# Allegro board 6089-119-RevB_08.brd (continued)
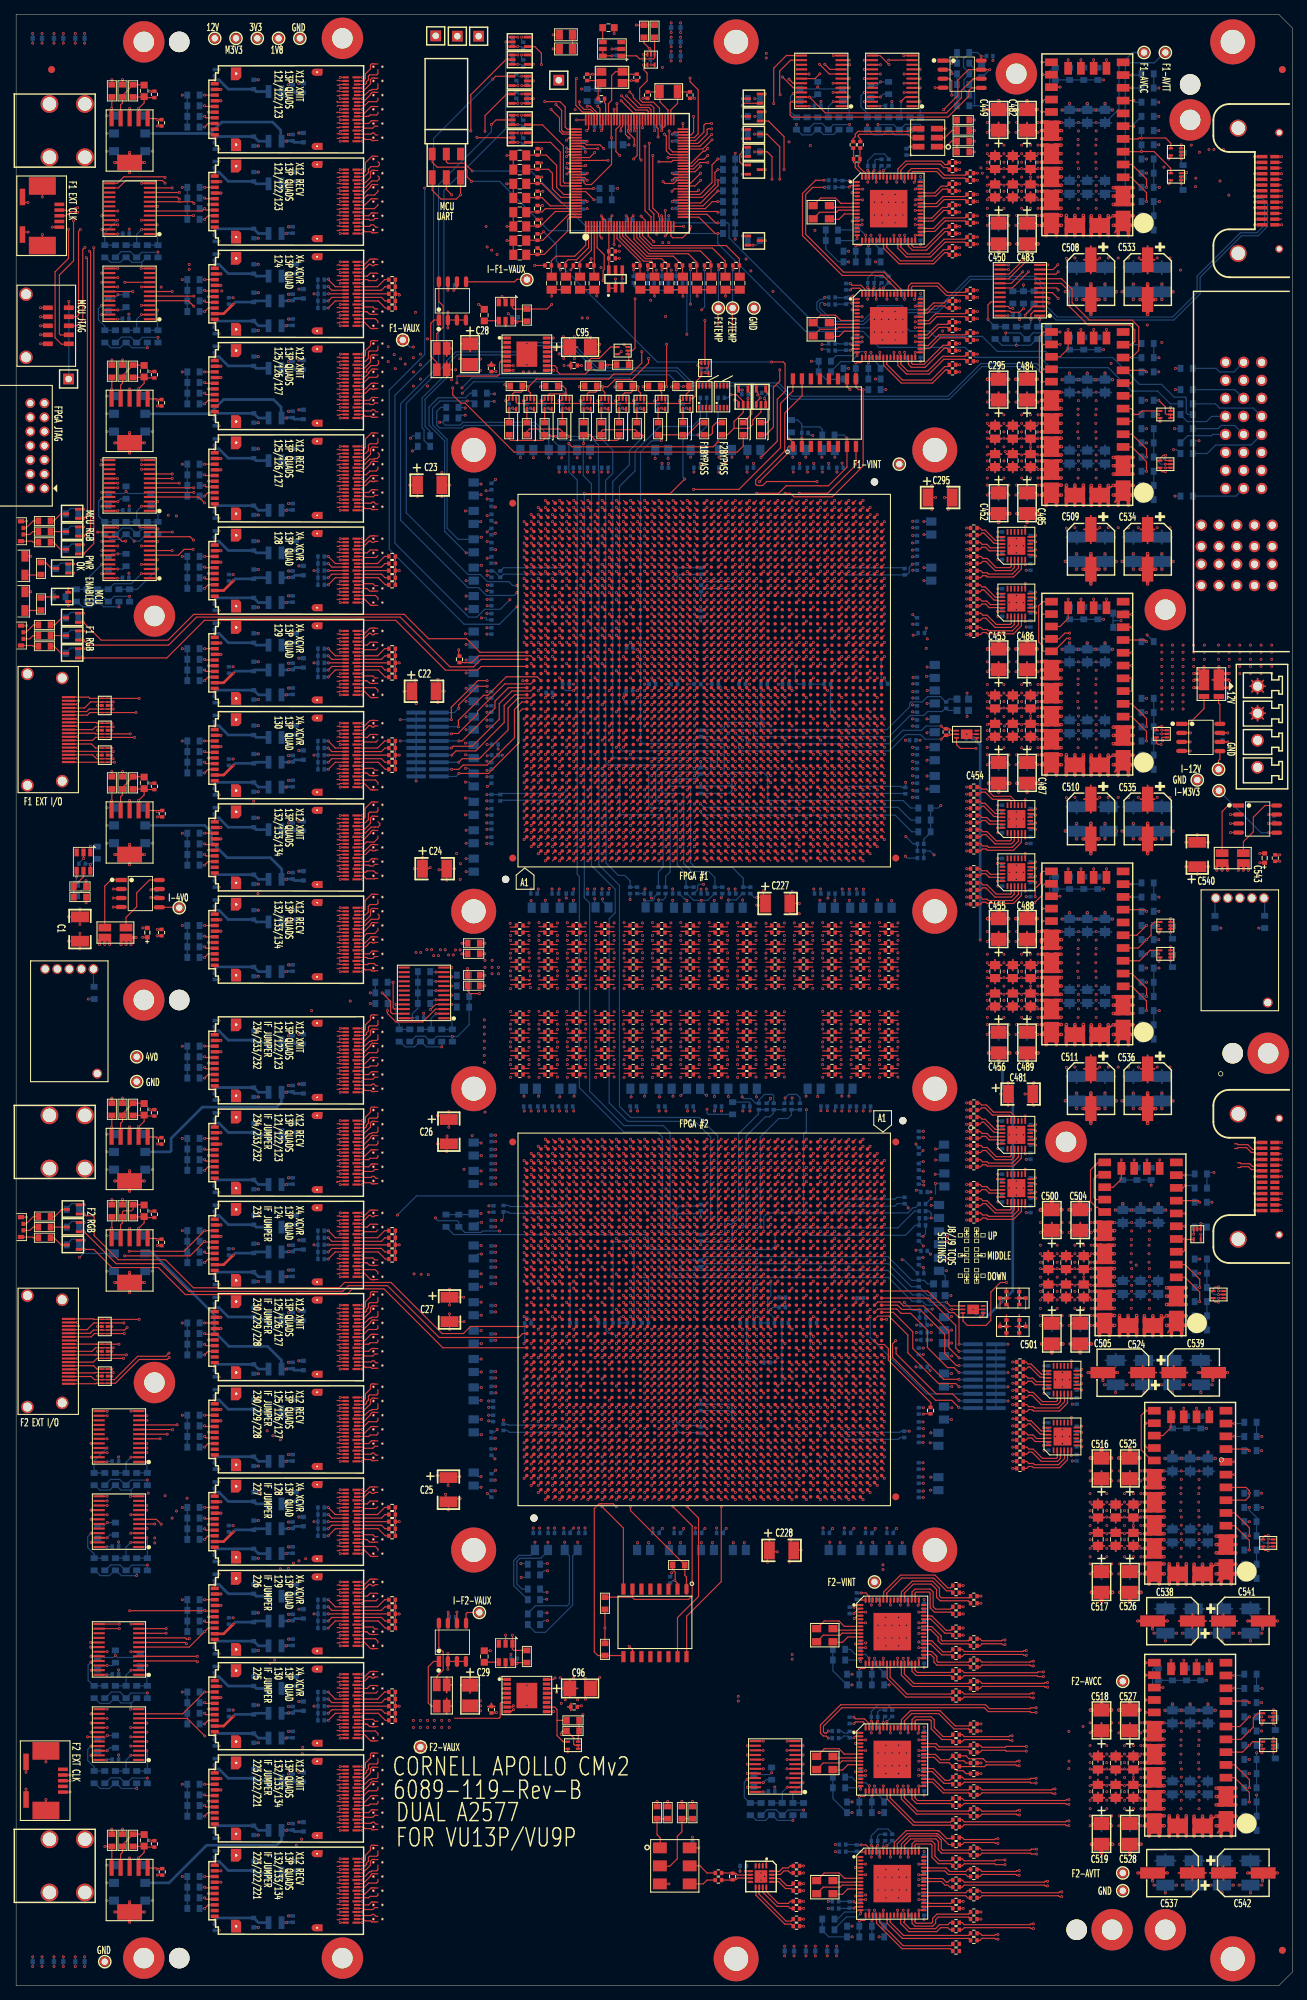
[diagram p0: board, top side]
## Placement (name value [footprint] x y rotation side) (continued)
R297  4.7K  [RESC_EIA0603]  128.05 162.6 180 bottom
R298  DNP  [RESC_EIA0402]  127.8 95.15 0 bottom
R299  1K  [RESC_EIA0402]  127.8 94.15 180 bottom
R300  1K  [RESC_EIA0402]  127.75 110.15 0 bottom
R301  0  [RESC_EIA0402]  127.75 109.15 180 bottom
R302  0  [RESC_EIA0402]  127.75 108.15 180 bottom
R303  DNP  [RESC_EIA0402]  127.75 107.15 180 bottom
R304  10K  [RESC_EIA0603]  127.5 262.4 270 bottom
R305  DNP  [RESC_EIA0402]  127.5 160.9 0 bottom
R306  1K  [RESC_EIA0402]  127.5 159.9 180 bottom
R307  1K  [RESC_EIA0402]  127.5 158.9 180 bottom
R308  1K  [RESC_EIA0402]  127.5 100.4 180 bottom
R309  0  [RESC_EIA0603]  126 262.4 90 bottom
R310  100  [RESC_EIA0402]  125.35 168.4 270 bottom
R311  100  [RESC_EIA0402]  125.25 199.25 90 bottom
R312  100  [RESC_EIA0402]  125.25 110.65 90 bottom
R313  100  [RESC_EIA0402]  125.2 77.7 270 bottom
R314  10K  [RESC_EIA0603]  124.5 262.4 270 bottom
R315  2.2K  [RESC_EIA0603]  123 267.4 90 bottom
R316  0  [RESC_EIA0603]  123 262.4 90 bottom
R317  240  [RESC_EIA0402]  122.4 183.45 180 bottom
R318  10K  [RESC_EIA0603]  121.5 262.4 270 bottom
R319  DNP  [RESC_EIA0603]  121.5 43.9 180 bottom
R320  10K  [RESC_EIA0603]  121.5 42.4 0 bottom
R321  DNP  [RESC_EIA0603]  121.5 25.9 180 bottom
R322  10K  [RESC_EIA0603]  121.5 24.4 0 bottom
R323  DNP  [RESC_EIA0603]  121.5 8.4 180 bottom
R324  10K  [RESC_EIA0603]  121.5 6.9 0 bottom
R325  DNP  [RESC_EIA0603]  121 244.4 180 bottom
R326  10K  [RESC_EIA0603]  121 242.9 0 bottom
R327  DNP  [RESC_EIA0603]  121 227.9 180 bottom
R328  10K  [RESC_EIA0603]  121 226.4 0 bottom
R329  4.7K  [RESC_EIA0603]  121 224.9 180 bottom
R330  100  [RESC_EIA0402]  121 37.9 180 bottom
R331  100  [RESC_EIA0402]  121 20.4 180 bottom
R332  2.2K  [RESC_EIA0603]  120.5 266.9 90 bottom
R333  100  [RESC_EIA0402]  120.5 256.4 180 bottom
R334  100  [RESC_EIA0402]  120.5 239.9 180 bottom
R335  0  [RESC_EIA0603]  120 262.4 90 bottom
R336  240  [RESC_EIA0402]  119 96.9 0 bottom
R337  100  [RESC_EIA0402]  118.5 54.9 270 bottom
R338  100  [RESC_EIA0402]  118.5 19.4 270 bottom
R339  DNP  [RESC_EIA0603]  118 43.9 0 bottom
R340  10K  [RESC_EIA0603]  118 42.4 180 bottom
R341  DNP  [RESC_EIA0603]  118 25.9 0 bottom
R342  10K  [RESC_EIA0603]  118 24.4 180 bottom
R343  DNP  [RESC_EIA0603]  118 8.4 0 bottom
R344  10K  [RESC_EIA0603]  118 6.9 180 bottom
R345  10K  [RESC_EIA0603]  117.5 262.4 270 bottom
R346  DNP  [RESC_EIA0603]  117.5 244.4 0 bottom
R347  10K  [RESC_EIA0603]  117.5 242.9 180 bottom
R348  DNP  [RESC_EIA0603]  117.5 227.9 0 bottom
R349  10K  [RESC_EIA0603]  117.5 226.4 180 bottom
R350  100  [RESC_EIA0402]  117.5 52.9 270 bottom
R351  100  [RESC_EIA0402]  117.5 37.4 270 bottom
R352  100  [RESC_EIA0402]  117.5 35.4 270 bottom
R353  100  [RESC_EIA0402]  117.5 11.4 270 bottom
R354  100  [RESC_EIA0402]  117 239.4 270 bottom
R355  100  [RESC_EIA0402]  117 237.4 270 bottom
R356  100  [RESC_EIA0402]  117 230.9 270 bottom
R357  10K  [RESC_EIA0603]  116.5 266.4 90 bottom
R358  100  [RESC_EIA0402]  116.5 253.9 270 bottom
R359  0  [RESC_EIA0603]  116 262.4 90 bottom
R360  2.2K  [RESC_EIA0603]  116 47.4 180 bottom
R361  2.2K  [RESC_EIA0603]  116 45.9 180 bottom
R362  2.2K  [RESC_EIA0603]  116 29.4 180 bottom
R363  2.2K  [RESC_EIA0603]  116 27.9 180 bottom
R364  2.2K  [RESC_EIA0603]  115 247.4 180 bottom
R365  2.2K  [RESC_EIA0603]  115 245.9 180 bottom
R366  10K  [RESC_EIA0603]  114.5 262.4 270 bottom
R367  2.2K  [RESC_EIA0603]  114.5 218.5 0 bottom
R368  2.2K  [RESC_EIA0603]  114.5 9.4 180 bottom
R369  2.2K  [RESC_EIA0603]  114.5 7.9 180 bottom
R370  240  [RESC_EIA0402]  114.35 183.4 0 bottom
R371  2.2K  [RESC_EIA0603]  114 228.9 180 bottom
R372  2.2K  [RESC_EIA0603]  114 227.4 180 bottom
R373  2.2K  [RESC_EIA0603]  113 267.4 90 bottom
R374  0  [RESC_EIA0603]  113 262.4 90 bottom
R375  1K  [RESC_EIA0402]  112.4 93.4 180 bottom
R376  10K  [RESC_EIA0603]  111.5 262.4 270 bottom
R377  1K  [RESC_EIA0402]  111.5 183.4 180 bottom
R378  10K  [RESC_EIA0603]  111 24.9 270 bottom
R379  2.2K  [RESC_EIA0603]  110.5 266.4 90 bottom
R380  DNP  [RESC_EIA0402]  110.5 123.9 270 bottom
R381  0  [RESC_EIA0603]  110 262.4 90 bottom
R382  0  [RESC_EIA0603]  109.5 24.9 90 bottom
R383  4.7K  [RESC_EIA0603]  109.3 219.75 270 bottom
R384  0  [RESC_EIA0402]  109.3 123.9 270 bottom
R385  240  [RESC_EIA0402]  108.5 183.4 180 bottom
R386  240  [RESC_EIA0402]  108.4 93.4 180 bottom
R387  0  [RESC_EIA0402]  108.3 123.9 270 bottom
R388  1K  [RESC_EIA0402]  108 97 180 bottom
R389  1K  [RESC_EIA0402]  108 95.6 180 bottom
R390  10K  [RESC_EIA0603]  108 24.9 270 bottom
R391  DNP  [RESC_EIA0402]  106.8 123.9 270 bottom
R392  2.2K  [RESC_EIA0603]  106.5 29.9 90 bottom
R393  0  [RESC_EIA0603]  106.5 24.9 90 bottom
R394  1K  [RESC_EIA0402]  106.45 93.4 0 bottom
R395  240  [RESC_EIA0402]  105.85 87.8 0 bottom
R396  DNP  [RESC_EIA0402]  105.8 123.9 270 bottom
R397  1K  [RESC_EIA0402]  105.45 183.4 180 bottom
R398  10K  [RESC_EIA0603]  105 24.9 270 bottom
R399  0  [RESC_EIA0402]  104.7 123.9 270 bottom
R400  240  [RESC_EIA0402]  104.5 93.4 180 bottom
R401  4.7K  [RESC_EIA0603]  104 265.9 180 bottom
R402  4.7K  [RESC_EIA0603]  104 263.4 180 bottom
R403  4.7K  [RESC_EIA0603]  104 260.9 180 bottom
R404  4.7K  [RESC_EIA0603]  104 258.4 0 bottom
R405  4.7K  [RESC_EIA0603]  104 245.9 180 bottom
R406  2.2K  [RESC_EIA0603]  104 28.9 90 bottom
R407  DNP  [RESC_EIA0402]  103.5 154.35 90 bottom
R408  DNP  [RESC_EIA0603]  103.5 24.9 90 bottom
R409  1K  [RESC_EIA0402]  102.55 93.4 0 bottom
R410  0  [RESC_EIA0402]  102.5 154.35 90 bottom
R411  1K  [RESC_EIA0402]  102.35 183.4 0 bottom
R412  4.7K  [RESC_EIA0603]  101 123.65 270 bottom
R413  DNP  [RESC_EIA0603]  100.5 257.4 0 bottom
R414  DNP  [RESC_EIA0603]  100.5 255.9 0 bottom
R415  DNP  [RESC_EIA0603]  100.5 254.4 0 bottom
R416  DNP  [RESC_EIA0603]  100.5 252.9 0 bottom
R417  2.2K  [RESC_EIA0603]  100.5 251.4 0 bottom
R418  2.2K  [RESC_EIA0603]  100.5 249.9 0 bottom
R419  DNP  [RESC_EIA0603]  100.5 248.4 0 bottom
R420  DNP  [RESC_EIA0603]  100.5 246.9 0 bottom
R421  0  [RESC_EIA0402]  99.55 154.35 90 bottom
R422  1K  [RESC_EIA0402]  98.55 183.4 180 bottom
R423  DNP  [RESC_EIA0402]  98.5 154.35 90 bottom
R424  100  [RESC_EIA0402]  96.55 199.35 90 bottom
R425  100  [RESC_EIA0402]  96.55 196.9 90 bottom
R426  100  [RESC_EIA0402]  96.5 171.2 270 bottom
R427  100  [RESC_EIA0402]  96.5 168.45 270 bottom
R428  100  [RESC_EIA0402]  96.5 109.65 90 bottom
R429  100  [RESC_EIA0402]  96.5 105.4 90 bottom
R430  100  [RESC_EIA0402]  96.5 81.5 270 bottom
R431  100  [RESC_EIA0402]  96.5 78.3 270 bottom
R432  240  [RESC_EIA0402]  96.05 183.4 180 bottom
R433  DNP  [RESC_EIA0402]  95.5 154.35 90 bottom
R434  0  [RESC_EIA0402]  94.45 154.35 90 bottom
R435  100  [RESC_EIA0402]  93.5 240.9 180 bottom
R436  100  [RESC_EIA0402]  93.5 239.9 0 bottom
R437  1K  [RESC_EIA0402]  92.8 183.4 180 bottom
R438  1K  [RESC_EIA0402]  91.55 154.35 270 bottom
R439  100  [RESC_EIA0402]  91.5 240.9 180 bottom
R440  100  [RESC_EIA0402]  91.5 239.9 0 bottom
R441  0  [RESC_EIA0402]  90.55 154.35 90 bottom
R442  240  [RESC_EIA0402]  89.7 183.4 180 bottom
R443  100  [RESC_EIA0402]  89.5 240.9 180 bottom
R444  100  [RESC_EIA0402]  89.5 239.9 0 bottom
R445  1K  [RESC_EIA0402]  88.7 93.4 0 bottom
R446  0  [RESC_EIA0402]  87.55 154.35 90 bottom
R447  100  [RESC_EIA0402]  87.05 240.4 270 bottom
R448  1K  [RESC_EIA0402]  86.65 93.4 0 bottom
R449  DNP  [RESC_EIA0402]  86.55 154.35 90 bottom
R450  240  [RESC_EIA0402]  86.5 188.55 180 bottom
R451  1K  [RESC_EIA0402]  86.45 182.5 0 bottom
R452  1K  [RESC_EIA0402]  86.45 180.8 0 bottom
R453  240  [RESC_EIA0402]  84.6 93.4 180 bottom
R454  10K  [RESC_EIA0603]  83.1 253.25 0 bottom
R455  10K  [RESC_EIA0603]  83.1 251.65 0 bottom
R456  1K  [RESC_EIA0402]  82.55 93.4 0 bottom
R457  2.2K  [RESC_EIA0603]  82 266.4 90 bottom
R458  2.2K  [RESC_EIA0603]  80.5 266.4 90 bottom
R459  240  [RESC_EIA0402]  78.55 93.4 180 bottom
R460  1K  [RESC_EIA0402]  77.5 183.4 0 bottom
R461  240  [RESC_EIA0402]  75.15 182.2 180 bottom
R462  0  [RESC_EIA0603]  73 59.4 180 bottom
R463  0  [RESC_EIA0603]  73 57.9 180 bottom
R464  0  [RESC_EIA0603]  73 55.9 180 bottom
R465  0  [RESC_EIA0603]  73 54.4 180 bottom
R466  0  [RESC_EIA0603]  73 52.4 180 bottom
R467  0  [RESC_EIA0603]  73 50.9 180 bottom
R468  240  [RESC_EIA0402]  72.15 93.35 180 bottom
R469  100  [RESC_EIA0402]  68.7 109.5 90 bottom
R470  100  [RESC_EIA0402]  68.7 78.7 270 bottom
R471  100  [RESC_EIA0402]  68.25 198.9 90 bottom
R472  100  [RESC_EIA0402]  68.25 167.4 270 bottom
R473  0  [RESC_EIA0603]  65.5 224.4 180 bottom
R474  0  [RESC_EIA0603]  65.5 222.9 180 bottom
R475  10K  [RESC_EIA0603]  63 142.4 0 bottom
R476  10K  [RESC_EIA0603]  63 140.9 0 bottom
R477  10K  [RESC_EIA0603]  63 139.4 0 bottom
R478  10K  [RESC_EIA0603]  63 137.9 0 bottom
R479  4.7K  [RESC_EIA0603]  62.4 107.8 270 bottom
R480  0  [RESC_EIA0603]  61.5 222.4 180 bottom
R481  0  [RESC_EIA0603]  61.5 220.9 180 bottom
R482  10K  [RESC_EIA0603]  61.5 133.9 270 bottom
R483  4.7K  [RESC_EIA0603]  60.6 107.8 270 bottom
R484  0  [RESC_EIA0603]  60 133.9 90 bottom
R485  10K  [RESC_EIA0603]  58.5 133.9 270 bottom
R486  0  [RESC_EIA0603]  57.5 218.4 180 bottom
R487  0  [RESC_EIA0603]  57.5 216.9 180 bottom
R488  10K  [RESC_EIA0603]  57.5 142.9 180 bottom
R489  10K  [RESC_EIA0603]  57.5 141.4 180 bottom
R490  10K  [RESC_EIA0603]  57.5 139.9 180 bottom
R491  10K  [RESC_EIA0603]  57.5 138.4 180 bottom
R492  0  [RESC_EIA0603]  57 133.9 90 bottom
R493  10K  [RESC_EIA0603]  55.5 133.9 270 bottom
R494  0  [RESC_EIA0603]  54 133.9 90 bottom
R495  2.2K  [RESC_EIA0603]  51.5 141.4 180 bottom
R496  2.2K  [RESC_EIA0603]  51.5 139.9 180 bottom
R497  10K  [RESC_EIA0603]  51.5 138.4 180 bottom
R498  49p9  [RESC_EIA0402]  43 240.4 0 bottom
R499  49p9  [RESC_EIA0402]  43 239.4 0 bottom
R500  49p9  [RESC_EIA0402]  43 238.4 0 bottom
R501  49p9  [RESC_EIA0402]  43 237.4 0 bottom
R502  49p9  [RESC_EIA0402]  43 236.4 0 bottom
R503  49p9  [RESC_EIA0402]  43 201.4 0 bottom
R504  49p9  [RESC_EIA0402]  43 200.4 0 bottom
R505  49p9  [RESC_EIA0402]  43 199.4 0 bottom
R506  49p9  [RESC_EIA0402]  43 198.4 0 bottom
R507  49p9  [RESC_EIA0402]  43 197.4 0 bottom
R508  49p9  [RESC_EIA0402]  43 188.4 0 bottom
R509  49p9  [RESC_EIA0402]  43 187.4 0 bottom
R510  49p9  [RESC_EIA0402]  43 186.4 0 bottom
R511  49p9  [RESC_EIA0402]  43 185.4 0 bottom
R512  49p9  [RESC_EIA0402]  43 184.4 0 bottom
R513  49p9  [RESC_EIA0402]  43 175.4 0 bottom
R514  49p9  [RESC_EIA0402]  43 174.4 0 bottom
R515  49p9  [RESC_EIA0402]  43 173.4 0 bottom
R516  49p9  [RESC_EIA0402]  43 172.4 0 bottom
R517  49p9  [RESC_EIA0402]  43 171.4 0 bottom
R518  49p9  [RESC_EIA0402]  43 106.4 0 bottom
R519  49p9  [RESC_EIA0402]  43 105.4 0 bottom
R520  49p9  [RESC_EIA0402]  43 104.4 0 bottom
R521  49p9  [RESC_EIA0402]  43 103.4 0 bottom
R522  49p9  [RESC_EIA0402]  43 102.4 0 bottom
R523  49p9  [RESC_EIA0402]  43 67.4 0 bottom
R524  49p9  [RESC_EIA0402]  43 66.4 0 bottom
R525  49p9  [RESC_EIA0402]  43 65.4 0 bottom
R526  49p9  [RESC_EIA0402]  43 64.4 0 bottom
R527  49p9  [RESC_EIA0402]  43 63.4 0 bottom
R528  49p9  [RESC_EIA0402]  43 54.4 0 bottom
R529  49p9  [RESC_EIA0402]  43 53.4 0 bottom
R530  49p9  [RESC_EIA0402]  43 52.4 0 bottom
R531  49p9  [RESC_EIA0402]  43 51.4 0 bottom
R532  49p9  [RESC_EIA0402]  43 50.4 0 bottom
R533  49p9  [RESC_EIA0402]  43 41.4 0 bottom
R534  49p9  [RESC_EIA0402]  43 40.4 0 bottom
R535  49p9  [RESC_EIA0402]  43 39.4 0 bottom
R536  49p9  [RESC_EIA0402]  43 38.4 0 bottom
R537  49p9  [RESC_EIA0402]  43 37.4 0 bottom
R538  3.3K  [RESC_EIA0603]  25 266.4 180 bottom
R539  3.3K  [RESC_EIA0603]  25 264.9 180 bottom
R540  2.2K  [RESC_EIA0603]  25 263.4 180 bottom
R541  2.2K  [RESC_EIA0603]  25 261.9 180 bottom
R542  3.3K  [RESC_EIA0603]  25 253.4 180 bottom
R543  3.3K  [RESC_EIA0603]  25 251.9 180 bottom
R544  2.2K  [RESC_EIA0603]  25 250.4 180 bottom
R545  2.2K  [RESC_EIA0603]  25 248.9 180 bottom
R546  3.3K  [RESC_EIA0603]  25 240.4 180 bottom
R547  3.3K  [RESC_EIA0603]  25 238.9 180 bottom
R548  2.2K  [RESC_EIA0603]  25 237.4 180 bottom
R549  2.2K  [RESC_EIA0603]  25 235.9 180 bottom
R550  3.3K  [RESC_EIA0603]  25 227.4 180 bottom
R551  3.3K  [RESC_EIA0603]  25 225.9 180 bottom
R552  2.2K  [RESC_EIA0603]  25 224.4 180 bottom
R553  2.2K  [RESC_EIA0603]  25 222.9 180 bottom
R554  3.3K  [RESC_EIA0603]  25 214.4 180 bottom
R555  3.3K  [RESC_EIA0603]  25 212.9 180 bottom
R556  2.2K  [RESC_EIA0603]  25 211.4 180 bottom
R557  2.2K  [RESC_EIA0603]  25 209.9 180 bottom
R558  3.3K  [RESC_EIA0603]  25 201.4 180 bottom
R559  3.3K  [RESC_EIA0603]  25 199.9 180 bottom
R560  2.2K  [RESC_EIA0603]  25 198.4 180 bottom
R561  2.2K  [RESC_EIA0603]  25 196.9 180 bottom
R562  3.3K  [RESC_EIA0603]  25 188.4 180 bottom
R563  3.3K  [RESC_EIA0603]  25 186.9 180 bottom
R564  2.2K  [RESC_EIA0603]  25 185.4 180 bottom
R565  2.2K  [RESC_EIA0603]  25 183.9 180 bottom
R566  3.3K  [RESC_EIA0603]  25 175.4 180 bottom
R567  3.3K  [RESC_EIA0603]  25 173.9 180 bottom
R568  2.2K  [RESC_EIA0603]  25 172.4 180 bottom
R569  2.2K  [RESC_EIA0603]  25 170.9 180 bottom
R570  3.3K  [RESC_EIA0603]  25 162.4 180 bottom
R571  3.3K  [RESC_EIA0603]  25 160.9 180 bottom
R572  2.2K  [RESC_EIA0603]  25 159.4 180 bottom
R573  2.2K  [RESC_EIA0603]  25 157.9 180 bottom
R574  3.3K  [RESC_EIA0603]  25 149.4 180 bottom
R575  3.3K  [RESC_EIA0603]  25 147.9 180 bottom
R576  2.2K  [RESC_EIA0603]  25 146.4 180 bottom
R577  2.2K  [RESC_EIA0603]  25 144.9 180 bottom
R578  3.3K  [RESC_EIA0603]  25 132.4 180 bottom
R579  3.3K  [RESC_EIA0603]  25 130.9 180 bottom
R580  2.2K  [RESC_EIA0603]  25 129.4 180 bottom
R581  2.2K  [RESC_EIA0603]  25 127.9 180 bottom
R582  3.3K  [RESC_EIA0603]  25 119.4 180 bottom
R583  3.3K  [RESC_EIA0603]  25 117.9 180 bottom
R584  2.2K  [RESC_EIA0603]  25 116.4 180 bottom
R585  2.2K  [RESC_EIA0603]  25 114.9 180 bottom
R586  3.3K  [RESC_EIA0603]  25 106.4 180 bottom
R587  3.3K  [RESC_EIA0603]  25 104.9 180 bottom
R588  2.2K  [RESC_EIA0603]  25 103.4 180 bottom
R589  2.2K  [RESC_EIA0603]  25 101.9 180 bottom
R590  3.3K  [RESC_EIA0603]  25 93.4 180 bottom
R591  3.3K  [RESC_EIA0603]  25 91.9 180 bottom
R592  2.2K  [RESC_EIA0603]  25 90.4 180 bottom
R593  2.2K  [RESC_EIA0603]  25 88.9 180 bottom
R594  3.3K  [RESC_EIA0603]  25 80.4 180 bottom
R595  3.3K  [RESC_EIA0603]  25 78.9 180 bottom
R596  2.2K  [RESC_EIA0603]  25 77.4 180 bottom
R597  2.2K  [RESC_EIA0603]  25 75.9 180 bottom
R598  3.3K  [RESC_EIA0603]  25 67.4 180 bottom
R599  3.3K  [RESC_EIA0603]  25 65.9 180 bottom
R600  2.2K  [RESC_EIA0603]  25 64.4 180 bottom
R601  2.2K  [RESC_EIA0603]  25 62.9 180 bottom
R602  3.3K  [RESC_EIA0603]  25 54.4 180 bottom
R603  3.3K  [RESC_EIA0603]  25 52.9 180 bottom
R604  2.2K  [RESC_EIA0603]  25 51.4 180 bottom
R605  2.2K  [RESC_EIA0603]  25 49.9 180 bottom
R606  3.3K  [RESC_EIA0603]  25 41.4 180 bottom
R607  3.3K  [RESC_EIA0603]  25 39.9 180 bottom
R608  2.2K  [RESC_EIA0603]  25 38.4 180 bottom
R609  2.2K  [RESC_EIA0603]  25 36.9 180 bottom
R610  3.3K  [RESC_EIA0603]  25 28.4 180 bottom
R611  3.3K  [RESC_EIA0603]  25 26.9 180 bottom
R612  2.2K  [RESC_EIA0603]  25 25.4 180 bottom
R613  2.2K  [RESC_EIA0603]  25 23.9 180 bottom
R614  3.3K  [RESC_EIA0603]  25 15.4 180 bottom
R615  3.3K  [RESC_EIA0603]  25 13.9 180 bottom
R616  2.2K  [RESC_EIA0603]  25 12.4 180 bottom
R617  2.2K  [RESC_EIA0603]  25 10.9 180 bottom
R618  10K  [RESC_EIA0603]  20 244.4 270 bottom
R619  10K  [RESC_EIA0603]  20 232.4 270 bottom
R620  10K  [RESC_EIA0603]  20 205.4 270 bottom
R621  10K  [RESC_EIA0603]  19 209.4 90 bottom
R622  0  [RESC_EIA0603]  18.5 244.4 90 bottom
R623  0  [RESC_EIA0603]  18.5 232.4 90 bottom
R624  DNP  [RESC_EIA0603]  18.5 205.4 90 bottom
R625  10K  [RESC_EIA0603]  18.5 71.4 270 bottom
R626  10K  [RESC_EIA0603]  18.5 59.4 270 bottom
R627  10K  [RESC_EIA0603]  18.5 41.4 270 bottom
R628  10K  [RESC_EIA0603]  18.5 29.4 270 bottom
R629  10K  [RESC_EIA0603]  17.5 45.9 90 bottom
R630  10K  [RESC_EIA0603]  17 244.4 270 bottom
R631  10K  [RESC_EIA0603]  17 232.4 270 bottom
R632  10K  [RESC_EIA0603]  17 205.4 270 bottom
R633  0  [RESC_EIA0603]  17 71.4 90 bottom
R634  0  [RESC_EIA0603]  17 59.4 90 bottom
R635  DNP  [RESC_EIA0603]  17 41.4 90 bottom
R636  0  [RESC_EIA0603]  17 29.4 90 bottom
R637  10K  [RESC_EIA0603]  16 195.9 270 bottom
R638  0  [RESC_EIA0603]  15.5 244.4 90 bottom
R639  2.2K  [RESC_EIA0603]  15.5 237.4 90 bottom
R640  0  [RESC_EIA0603]  15.5 232.4 90 bottom
R641  2.2K  [RESC_EIA0603]  15.5 210.4 90 bottom
R642  0  [RESC_EIA0603]  15.5 205.4 90 bottom
R643  2.2K  [RESC_EIA0603]  15.5 200.9 90 bottom
R644  10K  [RESC_EIA0603]  15.5 71.4 270 bottom
R645  10K  [RESC_EIA0603]  15.5 59.4 270 bottom
R646  10K  [RESC_EIA0603]  15.5 41.4 270 bottom
R647  10K  [RESC_EIA0603]  15.5 29.4 270 bottom
R648  0  [RESC_EIA0603]  14.5 195.9 90 bottom
R649  10K  [RESC_EIA0603]  14 244.4 270 bottom
R650  10K  [RESC_EIA0603]  14 232.4 270 bottom
R651  10K  [RESC_EIA0603]  14 205.4 270 bottom
R652  0  [RESC_EIA0603]  14 71.4 90 bottom
R653  2.2K  [RESC_EIA0603]  14 64.4 90 bottom
R654  0  [RESC_EIA0603]  14 59.4 90 bottom
R655  2.2K  [RESC_EIA0603]  14 46.4 90 bottom
R656  0  [RESC_EIA0603]  14 41.4 90 bottom
R657  2.2K  [RESC_EIA0603]  14 34.4 90 bottom
R658  0  [RESC_EIA0603]  14 29.4 90 bottom
R659  2.2K  [RESC_EIA0603]  13 236.9 90 bottom
R660  2.2K  [RESC_EIA0603]  13 209.4 90 bottom
R661  2.2K  [RESC_EIA0603]  13 200.4 90 bottom
R662  10K  [RESC_EIA0603]  13 195.9 270 bottom
R663  0  [RESC_EIA0603]  12.5 244.4 90 bottom
R664  0  [RESC_EIA0603]  12.5 232.4 90 bottom
R665  0  [RESC_EIA0603]  12.5 205.4 90 bottom
R666  10K  [RESC_EIA0603]  12.5 71.4 270 bottom
R667  10K  [RESC_EIA0603]  12.5 59.4 270 bottom
R668  10K  [RESC_EIA0603]  12.5 41.4 270 bottom
R669  10K  [RESC_EIA0603]  12.5 29.4 270 bottom
R670  0  [RESC_EIA0603]  11.5 195.9 90 bottom
R671  2.2K  [RESC_EIA0603]  11.5 63.9 90 bottom
R672  2.2K  [RESC_EIA0603]  11.5 45.4 90 bottom
R673  2.2K  [RESC_EIA0603]  11.5 33.9 90 bottom
R674  10K  [RESC_EIA0603]  11.45 159.65 270 bottom
R675  348  [RESC_EIA0603]  11 139.9 90 bottom
R676  0  [RESC_EIA0603]  11 71.4 90 bottom
R677  0  [RESC_EIA0603]  11 59.4 90 bottom
R678  0  [RESC_EIA0603]  11 41.4 90 bottom
R679  DNP  [RESC_EIA0603]  11 29.4 90 bottom
R680  10K  [RESC_EIA0603]  10 195.9 270 bottom
R681  DNP  [RESC_EIA0603]  8.5 195.9 90 bottom
R682  4.7K  [RESC_EIA0603]  8 109.4 0 bottom
R683  4.7K  [RESC_EIA0603]  8 106.9 0 bottom
R684  4.7K  [RESC_EIA0603]  8 104.4 0 bottom
R685  4.7K  [RESC_EIA0603]  7.9 207.4 0 bottom
R686  4.7K  [RESC_EIA0603]  7.9 204.9 0 bottom
R687  4.7K  [RESC_EIA0603]  7.9 202.4 0 bottom
R688  4.7K  [RESC_EIA0603]  7.9 192.75 0 bottom
R689  4.7K  [RESC_EIA0603]  7.9 190.25 0 bottom
R690  4.7K  [RESC_EIA0603]  7.9 187.75 0 bottom
R691  47K  [RESC_EIA0603]  6.5 199.7 180 bottom
R692  47K  [RESC_EIA0603]  6.1 195.7 180 bottom
SP1  -  [SPLICE_PLATE2_APOLLO]  101.5 273.9 90 top
SP2  -  [SPLICE_PLATE2_APOLLO]  171.5 3.8 270 top
SW1  SW DPDT  [SW_DPDT_CL_SB_22B]  16 261 180 bottom
SW2  SW DPDT  [SW_DPDT_CL_SB_22B]  16 221.5 180 bottom
SW3  SW DPDT  [SW_DPDT_CL_SB_22B]  16 163.5 180 bottom
SW4  SW DPDT  [SW_DPDT_CL_SB_22B]  16 117.5 180 bottom
SW5  SW DPDT  [SW_DPDT_CL_SB_22B]  16 103.2 180 bottom
SW6  SW DPDT  [SW_DPDT_CL_SB_22B]  16 14.5 180 bottom
TP1  THRU_TestPoint  [THRUTEST]  7.4 226.4 0 top
TP2  THRU_TestPoint  [THRUTEST]  59.15 274.75 0 top
TP3  THRU_TestPoint  [THRUTEST]  62.2 274.7 0 top
TP4  THRU_TestPoint  [THRUTEST]  65.2 274.7 0 top
TP5  THRU_TestPoint  [THRUTEST]  76.5 268.5 0 top
U1  -  [LDO06C_HJ]  7.5 135.9 90 top
U2  TPS3808-1.8V  [SOT23-6]  9.5 158.4 270 top
U3  TVS_TPD4E05  [TPD4E05_USON_10]  12.5 180.4 0 top
U4  TVS_TPD4E05  [TPD4E05_USON_10]  12.5 176.9 0 top
U5  TVS_TPD4E05  [TPD4E05_USON_10]  12.5 173.4 0 top
U6  TVS_TPD4E05  [TPD4E05_USON_10]  12.5 92.9 0 top
U7  TVS_TPD4E05  [TPD4E05_USON_10]  12.5 89.4 0 top
U8  TVS_TPD4E05  [TPD4E05_USON_10]  12.5 85.9 0 top
U9  TCA9548A  [TSSOP-24]  14.5 77.4 180 top
U10  TCA9555  [TSSOP-24]  14.5 65.4 180 top
U11  TCA9548A  [TSSOP-24]  14.5 47.4 180 top
U12  TCA9555  [TSSOP-24]  14.5 35.4 180 top
U13  TPS73601  [TPS73601_SOT223_6]  16 260 270 top
U14  TCA9548A  [TSSOP-24]  16 250.4 180 top
U15  TCA9555  [TSSOP-24]  16 238.4 180 top
U16  TPS73601  [TPS73601_SOT223_6]  16 220.5 270 top
U17  TCA9548A  [TSSOP-24]  16 211.4 180 top
U18  TCA9555  [TSSOP-24]  16 201.9 180 top
U19  TPS73601  [TPS73601_SOT223_6]  16 162.5 270 top
U20  TPS73601  [TPS73601_SOT223_6]  16 116.5 270 top
U21  TPS73601  [TPS73601_SOT223_6]  16 102.2 270 top
U22  TPS73601  [TPS73601_SOT223_6]  16 13.5 270 top
U23  INA240A3-Q1  [SOIC050P240-8]  17.5 153.9 0 top
U24  FIREFLY_XMIT_X12  [CONN_SAMTEC_UEC5_UCC8]  28 264.4 270 top
U25  FIREFLY_RECV_X12  [CONN_SAMTEC_UEC5_UCC8]  28 251.4 270 top
U26  FIREFLY_XCVR_X4  [CONN_SAMTEC_UEC5_UCC8]  28 238.4 270 top
U27  FIREFLY_XMIT_X12  [CONN_SAMTEC_UEC5_UCC8]  28 225.4 270 top
U28  FIREFLY_RECV_X12  [CONN_SAMTEC_UEC5_UCC8]  28 212.4 270 top
U29  FIREFLY_XCVR_X4  [CONN_SAMTEC_UEC5_UCC8]  28 199.4 270 top
U30  FIREFLY_XCVR_X4  [CONN_SAMTEC_UEC5_UCC8]  28 186.4 270 top
U31  FIREFLY_XCVR_X4  [CONN_SAMTEC_UEC5_UCC8]  28 173.4 270 top
U32  FIREFLY_XMIT_X12  [CONN_SAMTEC_UEC5_UCC8]  28 160.4 270 top
U33  FIREFLY_RECV_X12  [CONN_SAMTEC_UEC5_UCC8]  28 147.4 270 top
U34  FIREFLY_XMIT_X12  [CONN_SAMTEC_UEC5_UCC8]  28 130.4 270 top
U35  FIREFLY_RECV_X12  [CONN_SAMTEC_UEC5_UCC8]  28 117.4 270 top
U36  FIREFLY_XCVR_X4  [CONN_SAMTEC_UEC5_UCC8]  28 104.4 270 top
U37  FIREFLY_XMIT_X12  [CONN_SAMTEC_UEC5_UCC8]  28 91.4 270 top
U38  FIREFLY_RECV_X12  [CONN_SAMTEC_UEC5_UCC8]  28 78.4 270 top
U39  FIREFLY_XCVR_X4  [CONN_SAMTEC_UEC5_UCC8]  28 65.4 270 top
U40  FIREFLY_XCVR_X4  [CONN_SAMTEC_UEC5_UCC8]  28 52.4 270 top
U41  FIREFLY_XCVR_X4  [CONN_SAMTEC_UEC5_UCC8]  28 39.4 270 top
U42  FIREFLY_XMIT_X12  [CONN_SAMTEC_UEC5_UCC8]  28 26.4 270 top
U43  FIREFLY_RECV_X12  [CONN_SAMTEC_UEC5_UCC8]  28 13.4 270 top
U44  TCA9548A  [TSSOP-24]  57.5 139.9 180 top
U45  INA240A3-Q1  [SOIC050P240-8]  61.5 237.4 90 top
U46  INA240A3-Q1  [SOIC050P240-8]  61.5 48.4 90 top
U47  TPS3808-1.8V  [SOT23-6]  69 235.9 270 top
U48  TPS3808-1.8V  [SOT23-6]  69 46.9 270 top
U49  74LVC1G126  [SOT5_DRL]  70 222.9 270 top
U50  74AUP1T34  [SC-70-5]  71 273.9 0 top
U51  74AUP1T34  [SC-70-5]  71 271.4 0 top
U52  74AUP1T34  [SC-70-5]  71 268.4 180 top
U53  74AUP1T34  [SC-70-5]  71 265.9 180 top
U54  74AUP1T34  [SC-70-5]  71 262.9 0 top
U55  74AUP1T34  [SC-70-5]  71 260.4 0 top
U56  LT1764-TSSOP16  [TSSOP-16_PAD]  72 229.9 0 top
U57  LT1764-TSSOP16  [TSSOP-16_PAD]  72 40.9 0 top
U58  74LVC1G126  [SOT5_DRL]  72.5 222.9 270 top
U59  74LVC1G125  [SOT5_DRL]  75 222.9 270 top
U60  74LVC1G125  [SOT5_DRL]  77.5 222.9 270 top
U61  74LVC1G08  [SOT5_DRL]  78.5 33.9 180 top
U62  74LVC1G126  [SOT5_DRL]  80.5 222.9 270 top
U63  74LVC1G126  [SOT5_DRL]  83 222.9 270 top
U64  TPS3808-3.3V  [SOT23-6]  84 272.9 180 top
U65  LT1790-2.5V  [TSOT23-6]  84.5 240.5 90 top
U66  74LVC1G08  [SOT5_DRL]  85.5 230.4 180 top
U67  74LVC1G125  [SOT5_DRL]  85.5 222.9 270 top
U68  TM4C1290NCPDT_NEW  [LQFP128]  86.5 255.4 90 top
U69  74LVC1G125  [SOT5_DRL]  88 222.9 270 top
U70  74LVC1G08  [SOT5_DRL]  89.5 271.4 270 top
U71  SI510_200P0000  [OSC_SI510_5X7]  92.85 16.9 0 top
U72  MT25QU01  [MM66U1G45_SO16]  94.5 55.9 270 top
U73  74LVC1G126  [SOT5_DRL]  91 222.9 270 top
U74  74LVC1G125  [SOT5_DRL]  94.5 222.9 270 top
U75  FPGA_VU13P_A2577  [FPGA_A2577]  97 183.9 90 top
U76  74LVC2G157  [VSSOP-8]  97 223.9 90 top
U77  FPGA_VU13P_A2577  [FPGA_A2577]  97 93.9 270 top
U78  74LVC1G125  [SOT5_DRL]  97.1 227.95 270 top
U79  74LVC2G157  [VSSOP-8]  99.5 223.9 90 top
U80  74AUP1T34  [SC-70-5]  102.5 223.9 90 top
U81  74AUP1T34  [SC-70-5]  105 223.9 90 top
U82  SI53340  [QFN-16_1P75PAD]  105 15.4 270 top
U83  TCA9555  [TSSOP-24]  107 30.9 180 top
U84  TCA9548A  [TSSOP-24]  113.5 268.4 180 top
U85  MT25QU01  [MM66U1G45_SO16]  109.5 216.9 90 top
U86  SI5341  [SI5341_QFN64]  123 250.4 0 top
U87  SI5395  [SI5341_QFN64]  123 233.9 0 top
U88  TCA9555  [TSSOP-24]  123.5 268.4 180 top
U89  SI5395  [SI5341_QFN64]  123.5 49.9 0 top
U90  SI5395  [SI5341_QFN64]  123.5 31.9 0 top
U91  SI5395  [SI5341_QFN64]  123.5 14.4 0 top
U92  SI545_322P265625  [OSC_SI545_5X3P2]  128.5 260.4 180 top
U93  24LCS52  [SOIC050P240-8]  133.35 269.35 0 top
U94  LTC2997H  [LTC2997H_DFN6]  134 176.35 0 top
U95  LTC2997H  [LTC2997H_DFN6]  134.9 95.3 0 top
U96  SI53342  [SI53342_QFN24]  141 202.9 90 top
U97  SI53342  [SI53342_QFN24]  141 194.9 90 top
U98  SI53342  [SI53342_QFN24]  141 164.4 90 top
U99  SI53342  [SI53342_QFN24]  141 156.9 90 top
U100  SI53342  [SI53342_QFN24]  141 119.9 90 top
U101  SI53342  [SI53342_QFN24]  141 112.4 90 top
U102  TCA9548A  [TSSOP-24]  141.5 238.9 180 top
U103  SI53342  [SI53342_QFN24]  147.5 85.4 90 top
U104  SI53342  [SI53342_QFN24]  147.5 77.4 90 top
U105  -  [LGA80D]  151 259.4 90 top
U106  -  [LGA80D]  151 221.4 90 top
U107  -  [LGA80D]  151 183.4 90 top
U108  -  [LGA80D]  151 145.4 90 top
U109  -  [LGA80D]  158.5 104.4 90 top
U110  74LVC1G08  [SOT5_DRL]  161.5 176.4 180 top
U111  74LVC1G08  [SOT5_DRL]  162 221.4 180 top
U112  74LVC1G08  [SOT5_DRL]  162 214.4 180 top
U113  74LVC1G08  [SOT5_DRL]  162 149.4 180 top
U114  74LVC1G08  [SOT5_DRL]  162 145.4 180 top
U115  74LVC1G08  [SOT5_DRL]  163.5 258.4 180 top
U116  74LVC1G08  [SOT5_DRL]  163.5 254.9 180 top
U117  -  [LGA80D]  165.5 69.4 90 top
U118  -  [LGA80D]  165.5 33.9 90 top
U119  74LVC1G08  [SOT5_DRL]  166.5 105.9 270 top
U120  INA240A3-Q1  [SOIC050P240-8]  167 175.9 0 top
U121  74LVC1G08  [SOT5_DRL]  169.5 97.4 180 top
U122  -  [LDO06C_HJ]  172.5 145.9 90 top
U123  INA240A3-Q1  [SOIC050P240-8]  175 164.4 0 top
U124  74LVC1G08  [SOT5_DRL]  176.5 62.4 180 top
U125  74LVC1G08  [SOT5_DRL]  176.5 37.9 180 top
U126  74LVC1G08  [SOT5_DRL]  176.5 33.9 180 top
VA1  DNI  [VIA_ARRAY_19H10]  51 270.4 90 top
VA2  DNI  [VIA_ARRAY_19H10]  51 268.4 90 top
VA3  DNI  [VIA_ARRAY_19H10]  51 266.4 90 top
VA4  DNI  [VIA_ARRAY_19H10]  51 264.4 90 top
VA5  DNI  [VIA_ARRAY_19H10]  51 262.4 90 top
VA6  DNI  [VIA_ARRAY_19H10]  51 260.4 90 top
VA7  DNI  [VIA_ARRAY_19H10]  51 257.4 90 top
VA8  DNI  [VIA_ARRAY_19H10]  51 255.4 90 top
VA9  DNI  [VIA_ARRAY_19H10]  51 253.4 90 top
VA10  DNI  [VIA_ARRAY_19H10]  51 251.4 90 top
VA11  DNI  [VIA_ARRAY_19H10]  51 249.4 90 top
VA12  DNI  [VIA_ARRAY_19H10]  51 247.4 90 top
VA13  DNI  [VIA_ARRAY_19H10]  51 242.9 90 top
VA14  DNI  [VIA_ARRAY_19H10]  51 240.9 90 top
VA15  DNI  [VIA_ARRAY_19H10]  51 235.9 270 top
VA16  DNI  [VIA_ARRAY_19H10]  51 233.9 270 top
VA17  DNI  [VIA_ARRAY_19H10]  51 231.4 90 top
VA18  DNI  [VIA_ARRAY_19H10]  51 229.4 90 top
VA19  DNI  [VIA_ARRAY_19H10]  51 227.4 90 top
VA20  DNI  [VIA_ARRAY_19H10]  51 225.4 90 top
VA21  DNI  [VIA_ARRAY_19H10]  51 223.4 90 top
VA22  DNI  [VIA_ARRAY_19H10]  51 221.4 90 top
VA23  DNI  [VIA_ARRAY_19H10]  51 218.4 90 top
VA24  DNI  [VIA_ARRAY_19H10]  51 216.4 90 top
VA25  DNI  [VIA_ARRAY_19H10]  51 214.4 90 top
VA26  DNI  [VIA_ARRAY_19H10]  51 212.4 90 top
VA27  DNI  [VIA_ARRAY_19H10]  51 210.4 90 top
VA28  DNI  [VIA_ARRAY_19H10]  51 208.4 90 top
VA29  DNI  [VIA_ARRAY_19H10]  51 203.9 90 top
VA30  DNI  [VIA_ARRAY_19H10]  51 201.9 90 top
VA31  DNI  [VIA_ARRAY_19H10]  51 196.9 270 top
VA32  DNI  [VIA_ARRAY_19H10]  51 194.9 270 top
VA33  DNI  [VIA_ARRAY_19H10]  51 190.9 90 top
VA34  DNI  [VIA_ARRAY_19H10]  51 188.9 90 top
VA35  DNI  [VIA_ARRAY_19H10]  51 183.9 270 top
VA36  DNI  [VIA_ARRAY_19H10]  51 181.9 270 top
VA37  DNI  [VIA_ARRAY_19H10]  51 177.9 90 top
VA38  DNI  [VIA_ARRAY_19H10]  51 175.9 90 top
VA39  DNI  [VIA_ARRAY_19H10]  51 170.9 270 top
VA40  DNI  [VIA_ARRAY_19H10]  51 168.9 270 top
VA41  DNI  [VIA_ARRAY_19H10]  51 166.4 90 top
VA42  DNI  [VIA_ARRAY_19H10]  51 164.4 90 top
VA43  DNI  [VIA_ARRAY_19H10]  51 162.4 90 top
VA44  DNI  [VIA_ARRAY_19H10]  51 160.4 90 top
VA45  DNI  [VIA_ARRAY_19H10]  51 158.4 90 top
VA46  DNI  [VIA_ARRAY_19H10]  51 156.4 90 top
VA47  DNI  [VIA_ARRAY_19H10]  51 153.4 90 top
VA48  DNI  [VIA_ARRAY_19H10]  51 151.4 90 top
VA49  DNI  [VIA_ARRAY_19H10]  51 149.4 90 top
VA50  DNI  [VIA_ARRAY_19H10]  51 147.4 90 top
VA51  DNI  [VIA_ARRAY_19H10]  51 145.4 90 top
VA52  DNI  [VIA_ARRAY_19H10]  51 143.4 90 top
VA53  DNI  [VIA_ARRAY_19H10]  51 136.4 90 top
VA54  DNI  [VIA_ARRAY_19H10]  51 134.4 90 top
VA55  DNI  [VIA_ARRAY_19H10]  51 132.4 90 top
VA56  DNI  [VIA_ARRAY_19H10]  51 130.4 90 top
VA57  DNI  [VIA_ARRAY_19H10]  51 128.4 90 top
VA58  DNI  [VIA_ARRAY_19H10]  51 126.4 90 top
VA59  DNI  [VIA_ARRAY_19H10]  51 123.4 90 top
VA60  DNI  [VIA_ARRAY_19H10]  51 121.4 90 top
VA61  DNI  [VIA_ARRAY_19H10]  51 119.4 90 top
VA62  DNI  [VIA_ARRAY_19H10]  51 117.4 90 top
VA63  DNI  [VIA_ARRAY_19H10]  51 115.4 90 top
VA64  DNI  [VIA_ARRAY_19H10]  51 113.4 90 top
VA65  DNI  [VIA_ARRAY_19H10]  51 108.9 90 top
VA66  DNI  [VIA_ARRAY_19H10]  51 106.9 90 top
VA67  DNI  [VIA_ARRAY_19H10]  51 101.9 270 top
VA68  DNI  [VIA_ARRAY_19H10]  51 99.9 270 top
VA69  DNI  [VIA_ARRAY_19H10]  51 97.4 90 top
VA70  DNI  [VIA_ARRAY_19H10]  51 95.4 90 top
VA71  DNI  [VIA_ARRAY_19H10]  51 93.4 90 top
VA72  DNI  [VIA_ARRAY_19H10]  51 91.4 90 top
VA73  DNI  [VIA_ARRAY_19H10]  51 89.4 90 top
VA74  DNI  [VIA_ARRAY_19H10]  51 87.4 90 top
VA75  DNI  [VIA_ARRAY_19H10]  51 84.4 90 top
VA76  DNI  [VIA_ARRAY_19H10]  51 82.4 90 top
VA77  DNI  [VIA_ARRAY_19H10]  51 80.4 90 top
VA78  DNI  [VIA_ARRAY_19H10]  51 78.4 90 top
VA79  DNI  [VIA_ARRAY_19H10]  51 76.4 90 top
VA80  DNI  [VIA_ARRAY_19H10]  51 74.4 90 top
VA81  DNI  [VIA_ARRAY_19H10]  51 69.9 90 top
VA82  DNI  [VIA_ARRAY_19H10]  51 67.9 90 top
VA83  DNI  [VIA_ARRAY_19H10]  51 62.9 270 top
VA84  DNI  [VIA_ARRAY_19H10]  51 60.9 270 top
VA85  DNI  [VIA_ARRAY_19H10]  51 56.9 90 top
VA86  DNI  [VIA_ARRAY_19H10]  51 54.9 90 top
VA87  DNI  [VIA_ARRAY_19H10]  51 49.9 270 top
VA88  DNI  [VIA_ARRAY_19H10]  51 47.9 270 top
VA89  DNI  [VIA_ARRAY_19H10]  51 43.9 90 top
VA90  DNI  [VIA_ARRAY_19H10]  51 41.9 90 top
VA91  DNI  [VIA_ARRAY_19H10]  51 36.9 270 top
VA92  DNI  [VIA_ARRAY_19H10]  51 34.9 270 top
VA93  DNI  [VIA_ARRAY_19H10]  51 32.4 90 top
VA94  DNI  [VIA_ARRAY_19H10]  51 30.4 90 top
VA95  DNI  [VIA_ARRAY_19H10]  51 28.4 90 top
VA96  DNI  [VIA_ARRAY_19H10]  51 26.4 90 top
VA97  DNI  [VIA_ARRAY_19H10]  51 24.4 90 top
VA98  DNI  [VIA_ARRAY_19H10]  51 22.4 90 top
VA99  DNI  [VIA_ARRAY_19H10]  51 19.4 90 top
VA100  DNI  [VIA_ARRAY_19H10]  51 17.4 90 top
VA101  DNI  [VIA_ARRAY_19H10]  51 15.4 90 top
VA102  DNI  [VIA_ARRAY_19H10]  51 13.4 90 top
VA103  DNI  [VIA_ARRAY_19H10]  51 11.4 90 top
VA104  DNI  [VIA_ARRAY_19H10]  51 9.4 90 top
X1  16 MHz  [CRYSTAL_ECS_4P0X2P5]  84 268.9 180 top
X2  32.768 KHZ  [CRYSTAL_ECS_3P2X1P5]  92 266.9 0 top
X3  48 MHz  [CRYSTAL_CX3225SB]  113.5 249.9 180 top
X4  48 MHz  [CRYSTAL_CX3225SB]  113.5 233.4 180 top
X5  48 MHz  [CRYSTAL_CX3225SB]  114 49.4 180 top
X6  48 MHz  [CRYSTAL_CX3225SB]  114 31.4 180 top
X7  48 MHz  [CRYSTAL_CX3225SB]  114 13.9 180 top

## Library data of the parts
BR1-BR3 J10 = CON4
BR4-BR9 = CON2
C1-C7 C9-C21 C30-C94 C97-C226 C229-C294 C296-C448 C457-C480 C490-C499 C502 C503 C506 C507 C512-C515 C520-C523 C529-C532 C540 C544-C585 C590-C608 C613-C626 C629-C644 C647-C666 C675-C695 C704-C852 C854-C862 C864-C866 C868-C881 C883-C888 C890-C903 C907-C1052 C1087-C1120 C1169-C1226 C1229 = CAP NP
C8 C22-C29 C95 C96 C227 C228 C295 C449-C456 C481-C489 C500 C501 C504 C505 C508-C511 C516-C519 C524-C528 C533-C539 C541-C543 C586-C589 C609-C612 C627 C628 C645 C646 C667-C674 C696-C703 C853 C863 C867 C904-C906 C1053-C1086 C1121-C1168 C1227 C1228 C1230-C1233 = CAP POL
C882 C889 R1-R19 R21-R72 R75-R144 R147-R692 = R
D1-D3 = LED_RGB_INS126T
D4 D5 = LED_0
H1-H8 = CON1
J1 = CON_2X7_RA_JTAG
J2 J3 = CON5
J4 = CON10A
J5 J6 = CON_HDMI19_SS_53000_001
J7 = CON6
J8 J9 = CAP_JUMPER_DP3T
J11 J12 = CON20A
L1-L52 = INDUCTOR
P1 = ET60T-D02-3-08-000
P2 P3 = ERM8-013-RA-2X13
PM1-PM26 TP1-TP5 = THRU_TestPoint
Q1-Q17 = FET_N_1.8V
R20 R73 R74 R145 R146 = R_4WIRE
SP1 SP2 = SPLICE_PLATE2_APOLLO
SW1-SW6 = SW DPDT
U1 U122 = LDO06C_HJ
U2 U47 U48 U64 = TPS3808
U3-U8 = TVS_TPD4E05
U9 U11 U14 U17 U44 U84 U102 = TCA9548A
U10 U12 U15 U18 U83 U88 = TCA9555
U13 U16 U19-U22 = TPS73601
U23 U45 U46 U120 U123 = INA240-Q1
U24 U27 U32 U34 U37 U42 = FIREFLY_XMIT_X12
U25 U28 U33 U35 U38 U43 = FIREFLY_RECV_X12
U26 U29-U31 U36 U39-U41 = FIREFLY_XCVR_X4
U49 U58 U62 U63 U73 = 74LVC1G126
U50-U55 U80 U81 = 74AUP1T34
U56 U57 = LT1764-TSSOP16
U59 U60 U67 U69 U74 U78 = 74LVC1G125
U61 U66 U70 U110-U116 U119 U121 U124-U126 = 74LVC1G08
U65 = LT1790
U68 = TM4C1290NCPDT_NEW
U71 U92 = SI545
U72 U85 = MT25QU01
U75 U77 = FPGA_VU13P_A2577
U76 U79 = 74LVC2G157_0
U82 = SI53340
U86 = SI5341
U87 U89-U91 = SI5395
U93 = 24LCS52
U94 U95 = LTC2997H
U96-U101 U103 U104 = SI53342
U105-U109 U117 U118 = LGA80D
VA1-VA104 = VIA_ARRAY_19H10
X1 X3-X7 = CRYSTAL_SMD4
X2 = CRYSTAL
